# Altium PCB IDL_18_020.PcbDoc (part 1 of 2)
Units mil, origin at the board's own origin, x right, y up, seen from the top; angles counter-clockwise.
Board outline 5500 x 4500 mil, 4 copper layers (Top Layer, MID PWR, MID GND, Bottom Layer), stack 61.2 mil thick; 66 components, 112 nets, 782 pads, 477 vias.
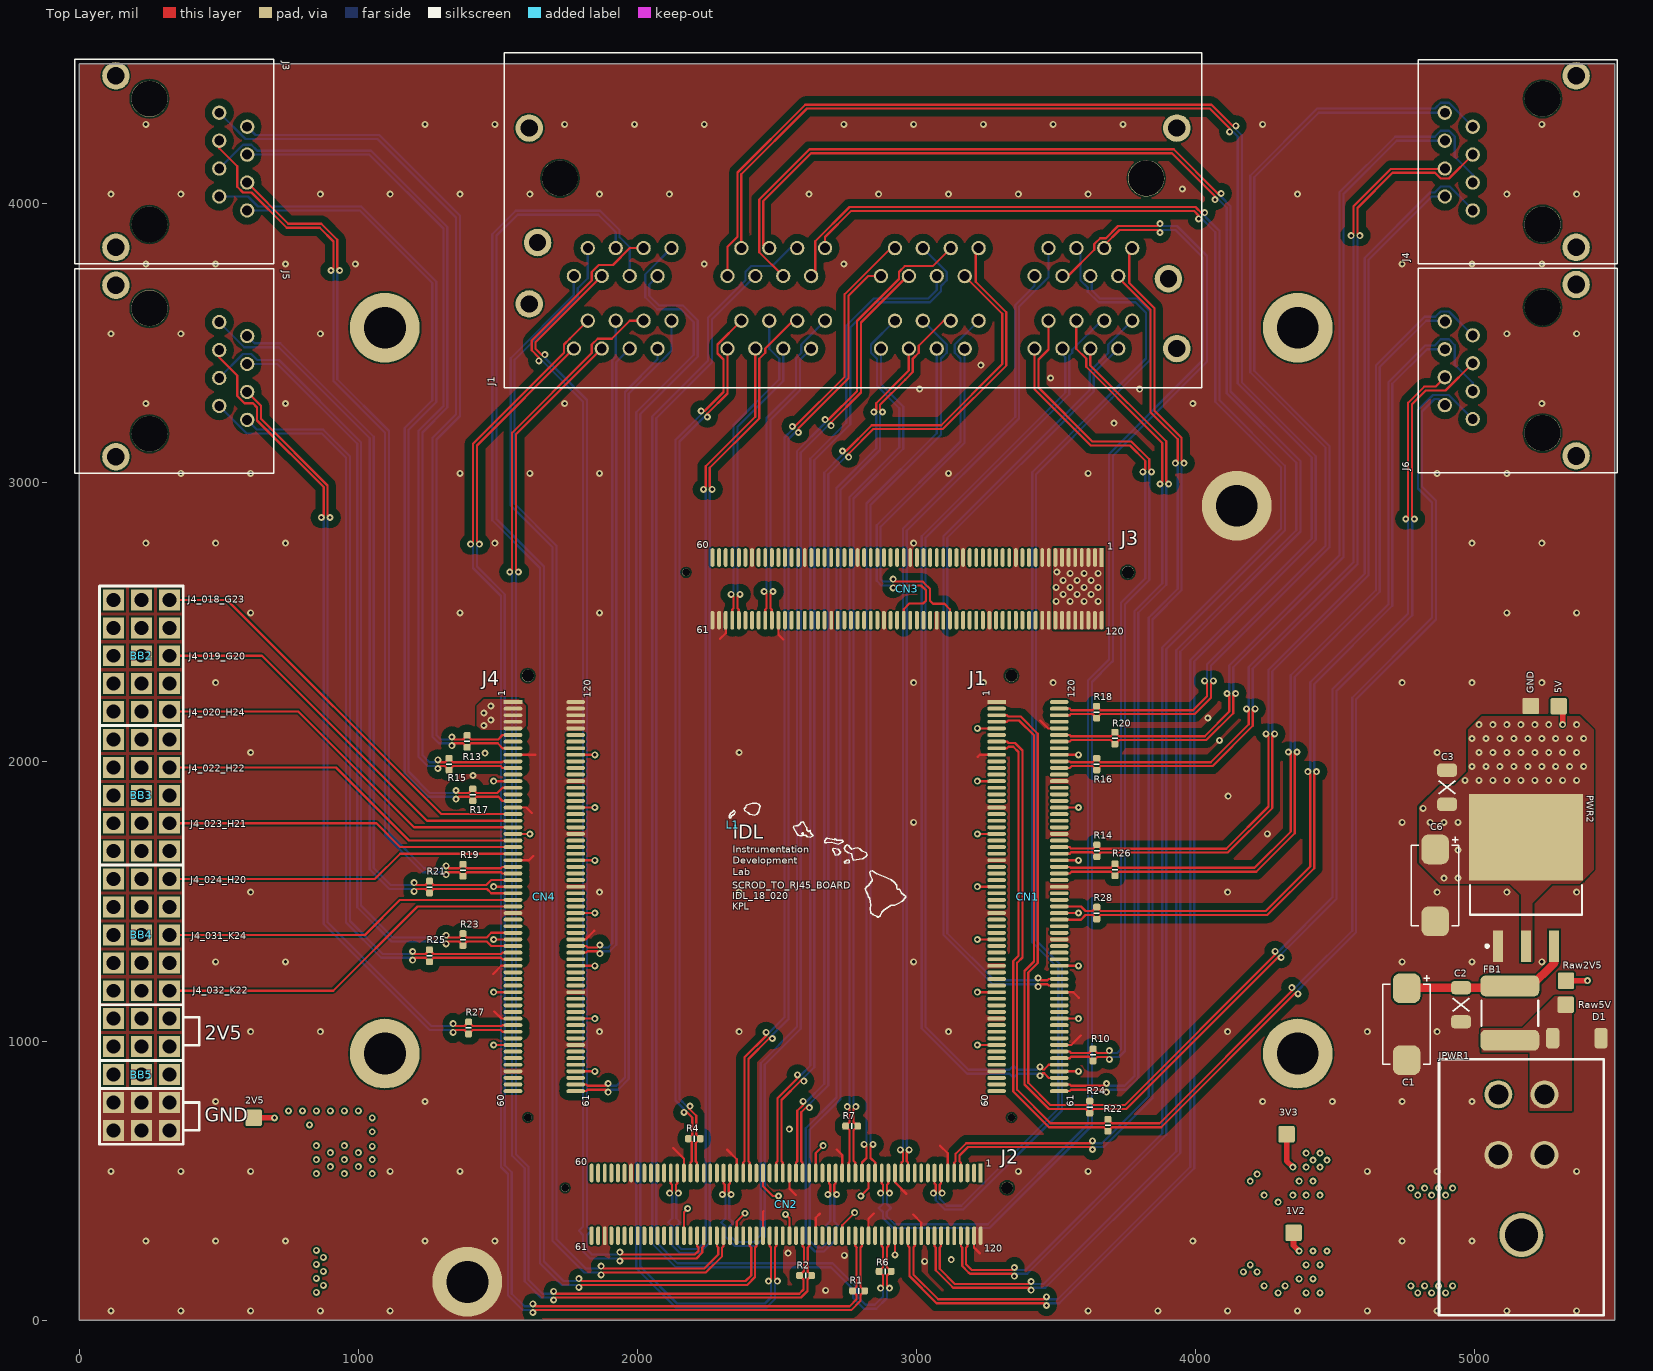
[diagram p0: Top Layer view]
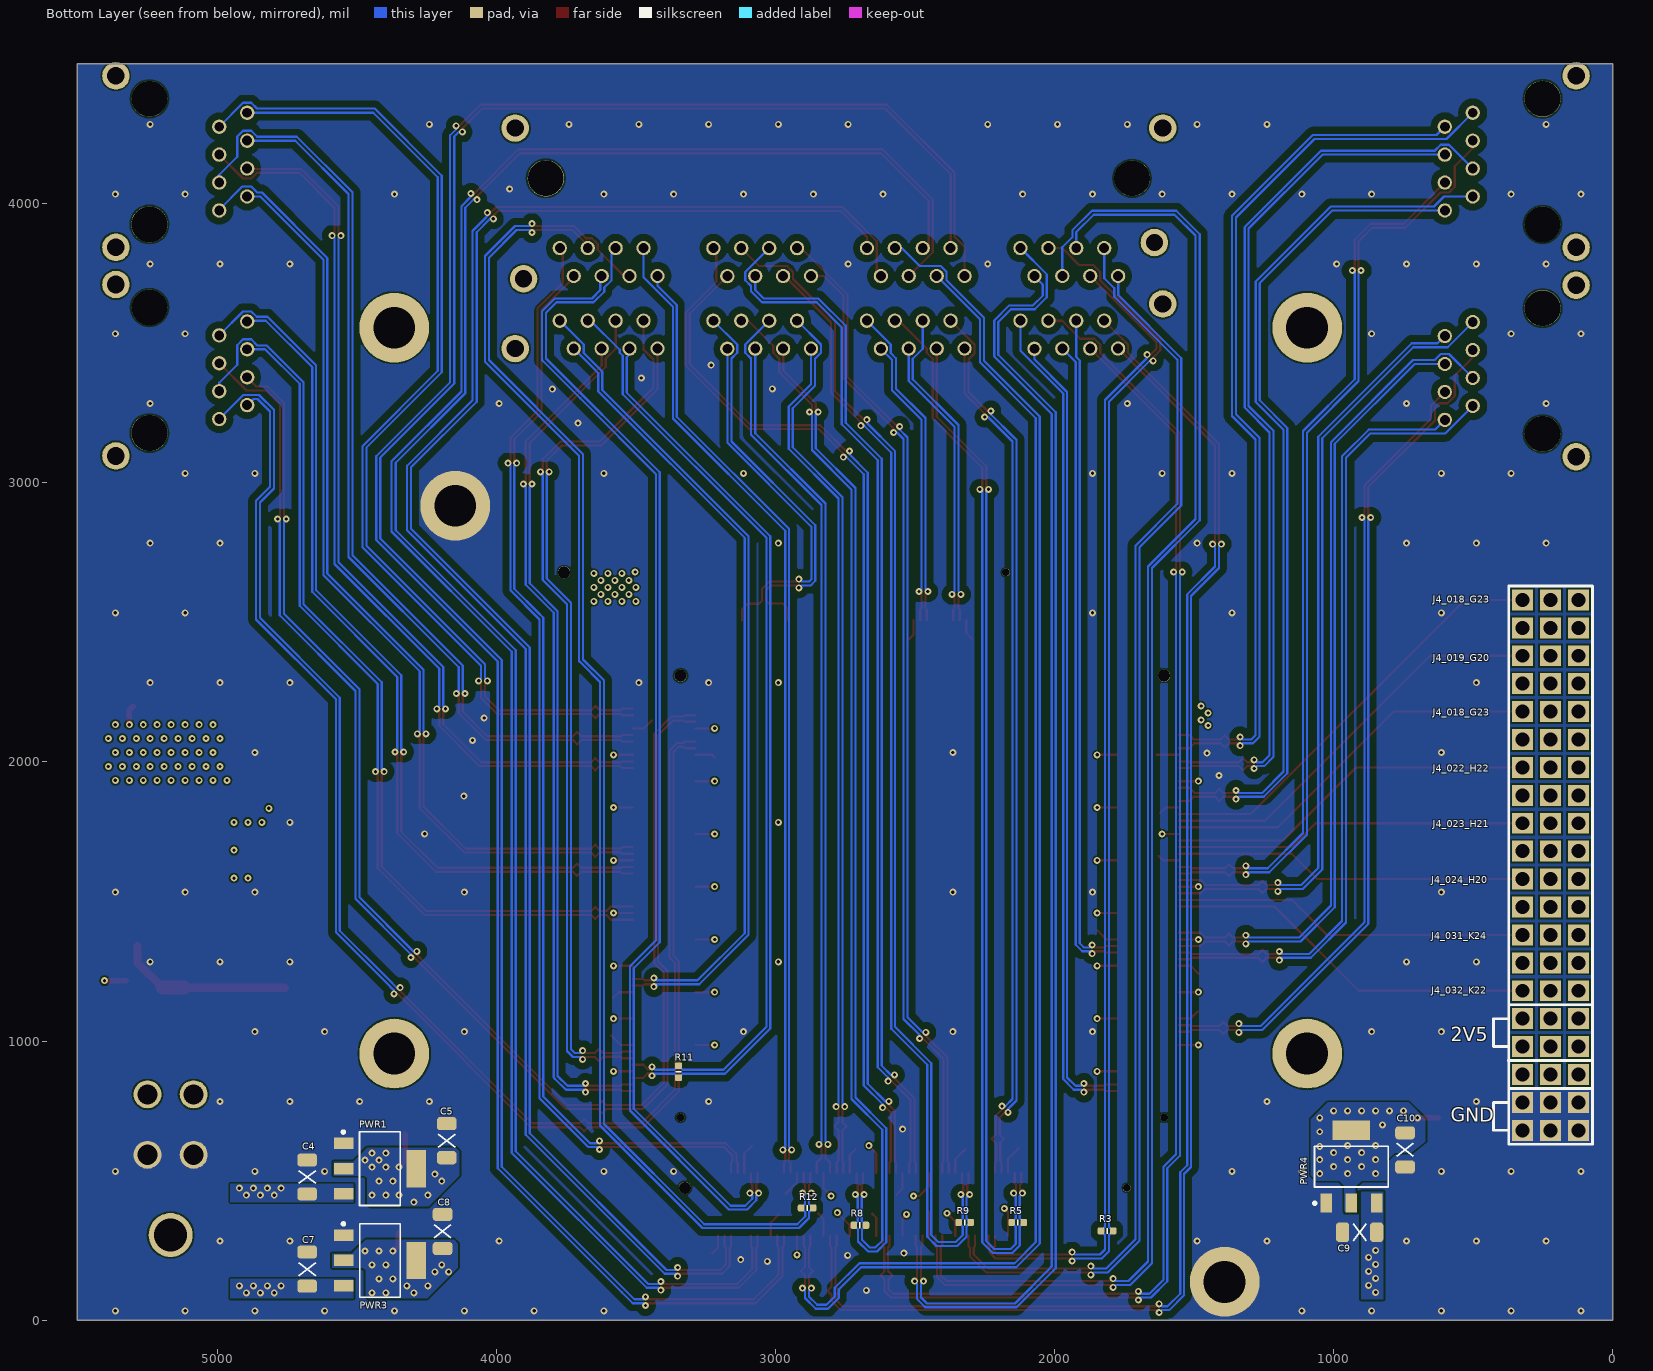
[diagram p1: Bottom Layer view, seen from below]
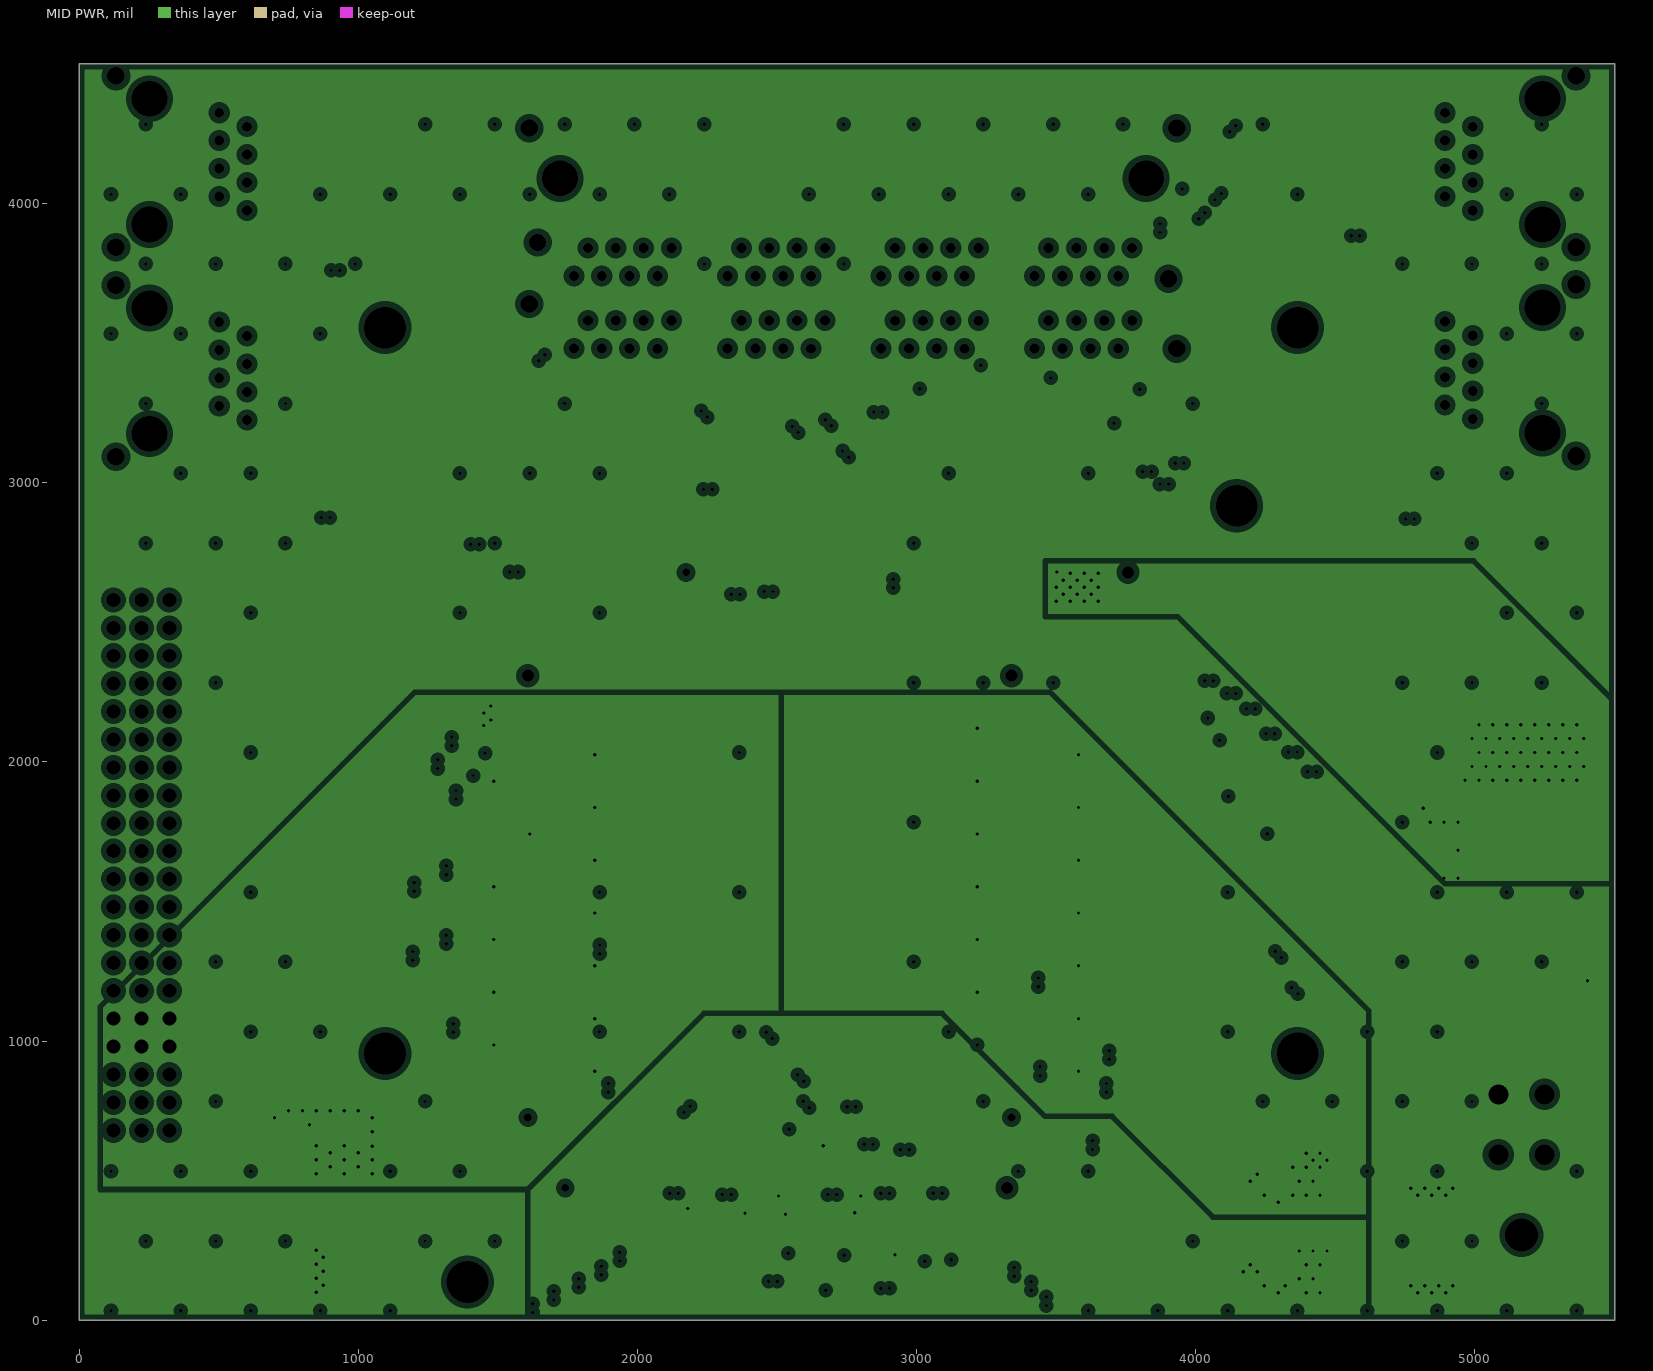
[diagram p2: MID PWR, clearances drawn from the general rule]
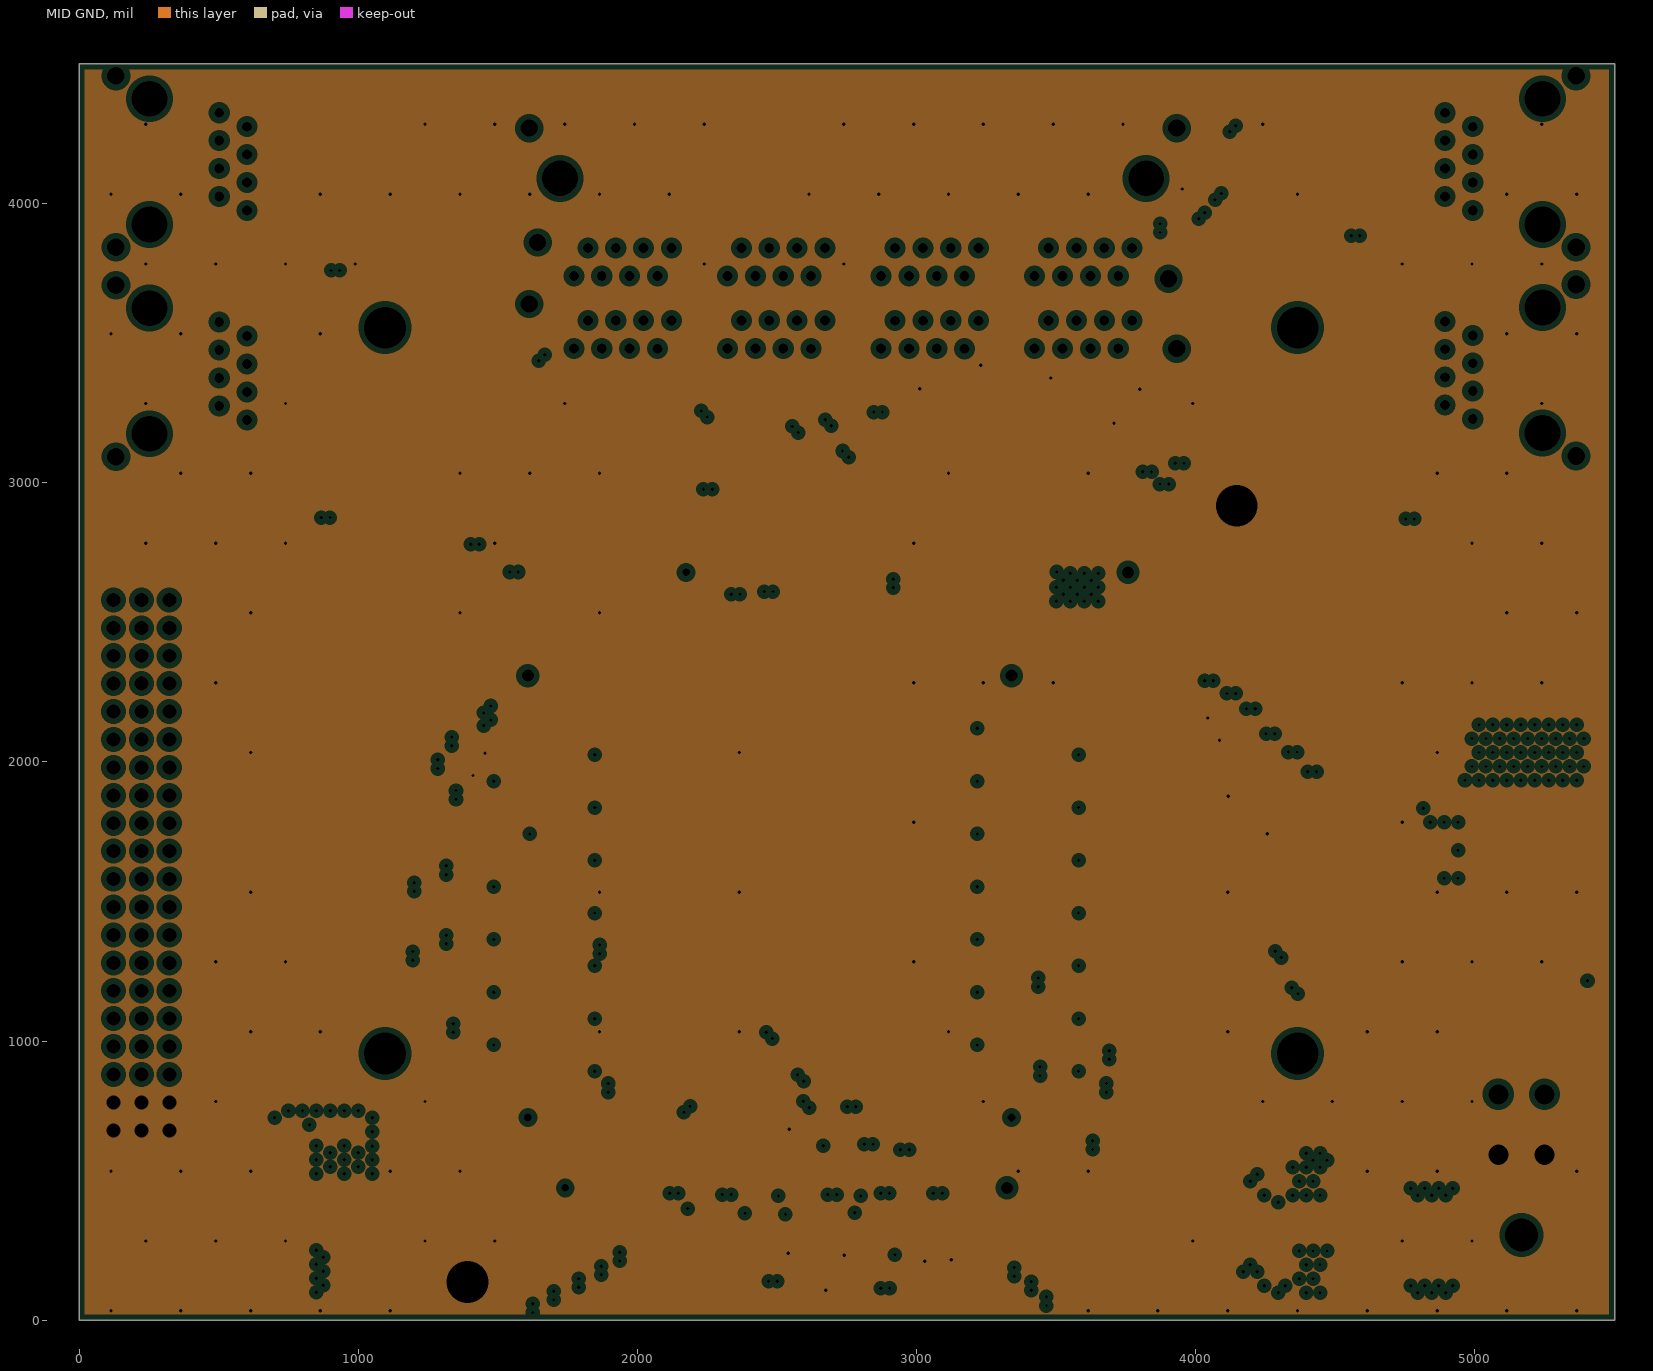
[diagram p3: MID GND, clearances drawn from the general rule]

## Layer stack, top to bottom
Top Solder: solder mask 0.4, Solder Resist, Dk 3.5
Top Layer: signal copper 1.378
Dielectric 1: prepreg 9, FR-4, Dk 4.65
MID PWR: plane copper 1.417, net (Multiple Nets)
Dielectric 2: dielectric 37.61, FR-4, Dk 4.65
MID GND: plane copper 1.417, net GND
Dielectric 3: dielectric 9, FR-4, Dk 4.65
Bottom Layer: signal copper 1.378
Bottom Solder: solder mask 0.4, Solder Resist, Dk 3.5

## Board outline
0,4500 5500,4500 5500,0 0,0

## Design rules (kind name [scope] priority, off if disabled: settings)
Clearance Clearance_Diff [InAnyDifferentialPair vs InNamedPolygon('GND_Top') or InNamedPolygon('GND_Bot')] p1: gap=25 ignorepadtopadclearanceinfootprint=FALSE except(0: Arc-Hole Track-Hole SMDPad-Hole THPad-Hole Via-Hole Fill-Hole Poly-Hole Region-Hole Text-Hole; 6: Arc-Arc Arc-Track Track-Track SMDPad-SMDPad)
Clearance Clearance_RF [InNetClass('RF') vs InNamedPolygon('GND_Top') or InNamedPolygon('GND_Bot')] p2: gap=25 ignorepadtopadclearanceinfootprint=FALSE
Clearance Clearance_Poly [InNet('FMC_2V5')or InNet('FMC_3V3')or InNet('FMC_48V')or InNet('FMC_RAW1')or InNet('FMC_RAW2')or InNet('FMC_RAW3')or InNet('FMC_RAW4')] p3: gap=10 ignorepadtopadclearanceinfootprint=FALSE except(0: Arc-Hole Track-Hole SMDPad-Hole THPad-Hole Via-Hole Fill-Hole Poly-Hole Region-Hole Text-Hole)
Clearance Clearance_KeepOut [Iskeepout] p4 off: gap=20 ignorepadtopadclearanceinfootprint=FALSE except(0: Arc-Hole Track-Hole SMDPad-Hole THPad-Hole Via-Hole Fill-Hole Poly-Hole Region-Hole Text-Hole)
Clearance [All] p5: gap=6 ignorepadtopadclearanceinfootprint=FALSE
ComponentClearance [All] p1 off: gap=10 collisioncheckmode=3 verticalgap=10 showdistances=FALSE
DiffPairsRouting [All] p1: maxlimit=10 minlimit=4 mostfreqgap=6 toplayer_minwidth=4 toplayer_maxwidth=12 toplayer_prefwidth=8 bottomlayer_minwidth=4 bottomlayer_maxwidth=12 bottomlayer_prefwidth=8 maxuncoupledlength=500
Height [All] p1 off: minheight=0 maxheight=1000 prefheight=500
HoleSize [All] p1: absolutevalues=TRUE maxlimit=150 minlimit=12 maxpercent=80.000 minpercent=20.000
MinimumSolderMaskSliver [All] p1: minsoldermaskwidth=5
NetAntennae [All] p1 off: netantennaetolerance=0
PlaneClearance [All] p1: clearance=20
PlaneConnect PlaneConnect_vIA [ISvIA] p1: planeconnectstyle=Direct reliefexpansion=20 reliefentries=4 reliefconductorwidth=10 reliefairgap=10
PlaneConnect [All] p2: planeconnectstyle=Direct reliefexpansion=12 reliefentries=4 reliefconductorwidth=15 reliefairgap=8
PolygonConnect PolygonConnect_Via [IsVia or InNet('GND') or InNet('2V5') or InNet('5V') or InNet('3V3') or InNet('RawFor_2.5V') or InNet('RawFor_5V') or InNet('NetC1_1') or InNet('1V2')] p1: connectstyle=Direct reliefconductorwidth=10 reliefentries=4 polygonreliefangle="90 Angle" airgapwidth=10
PolygonConnect PolygonConnect_Main [All] p2: connectstyle=Relief reliefconductorwidth=12 reliefentries=4 polygonreliefangle="90 Angle" airgapwidth=10
RoutingVias [All] p1: holewidth=12 width=25 viastyle="Through Hole" minholewidth=12 minwidth=25 maxholewidth=25 maxwidth=50
SilkToSilkClearance [All] p1: silktosilkclearance=5
SilkToSolderMaskClearance SilkscreenOverComponentPads [IsPad] p1: minsilkscreentomaskgap=5 clearancetoexposedcopper=TRUE
SolderMaskExpansion [All] p1: expansion=2
Width Width_Logo [HasFootprint('ITECH_LOGO')] p1: maxlimit=10 minlimit=1 preferedwidth=2
Width [All] p2: maxlimit=150 minlimit=4 preferedwidth=8 minimp=50.000000 maximp=50.000000 favimp=50.000000
20 further rules are at their usual default settings.

## Classes and differential pairs
net class RF: AUX1_N AUX1_P AUX2_N AUX2_P AUX3_N AUX3_P AUX4_N AUX4_P DATA_OUT_N DATA_OUT_P DC_SC_DATA1_N DC_SC_DATA1_P DC_SC_DATA2_N DC_SC_DATA2_P DC_SC_DATA3_N DC_SC_DATA3_P DC_SC_DATA4_N DC_SC_DATA4_P DC_SC_TX1_N DC_SC_TX1_P DC_SC_TX2_N DC_SC_TX2_P DC_SC_TX3_N DC_SC_TX3_P DC_SC_TX4_N DC_SC_TX4_P MAS_ACK1_N MAS_ACK1_P MAS_ACK2_N MAS_ACK2_P MAS_ACK3_N MAS_ACK3_P MAS_ACK4_N MAS_ACK4_P ORed_Trig1_N ORed_Trig1_P ORed_Trig2_N ORed_Trig2_P ORed_Trig3_N ORed_Trig3_P ORed_Trig4_N ORed_Trig4_P SC-DC_CLK_N SC-DC_CLK_P SC_DC_CLK1_N SC_DC_CLK1_P SC_DC_CLK2_N SC_DC_CLK2_P SC_DC_CLK3_N SC_DC_CLK3_P SC_DC_CLK4_N SC_DC_CLK4_P SC_DC_DATA1_N SC_DC_DATA1_P SC_DC_DATA2_N SC_DC_DATA2_P SC_DC_DATA3_N SC_DC_DATA3_P SC_DC_DATA4_N SC_DC_DATA4_P SC_DC_RX1_N SC_DC_RX1_P SC_DC_RX2_N SC_DC_RX2_P SC_DC_RX3_N SC_DC_RX3_P SC_DC_RX4_N SC_DC_RX4_P TX_N TX_P
differential pair TRIG_AUX16: +TRIG_AUX16_P -TRIG_AUX16_N
differential pair TRIG_AUX15: +TRIG_AUX15_P -TRIG_AUX15_N
differential pair TRIG_AUX14: +TRIG_AUX14_P -TRIG_AUX14_N
differential pair TRIG_AUX13: +TRIG_AUX13_P -TRIG_AUX13_N
differential pair TRIG_AUX12: +TRIG_AUX12_P -TRIG_AUX12_N
differential pair TRIG_AUX11: +TRIG_AUX11_P -TRIG_AUX11_N
differential pair TRIG_AUX10: +TRIG_AUX10_P -TRIG_AUX10_N
differential pair TRIG_AUX9: +TRIG_AUX9_P -TRIG_AUX9_N
differential pair TRIG_AUX8: +TRIG_AUX8_P -TRIG_AUX8_N
differential pair TRIG_AUX7: +TRIG_AUX7_P -TRIG_AUX7_N
differential pair TRIG_AUX6: +TRIG_AUX6_P -TRIG_AUX6_N
differential pair TRIG_AUX5: +TRIG_AUX5_P -TRIG_AUX5_N
differential pair TRIG_AUX4: +TRIG_AUX4_P -TRIG_AUX4_N
differential pair TRIG_AUX3: +TRIG_AUX3_P -TRIG_AUX3_N
differential pair TRIG_AUX2: +TRIG_AUX2_P -TRIG_AUX2_N
differential pair TRIG_AUX1: +TRIG_AUX1_P -TRIG_AUX1_N
differential pair AUX1: +AUX1_P -AUX1_N
differential pair MAS_ACK1: +MAS_ACK1_P -MAS_ACK1_N
differential pair SC_DC_CLK1: +SC_DC_CLK1_P -SC_DC_CLK1_N
differential pair DC_SC_TX2: +DC_SC_TX2_P -DC_SC_TX2_N
differential pair AUX3: +AUX3_P -AUX3_N
differential pair SC_DC_RX2: +SC_DC_RX2_P -SC_DC_RX2_N
differential pair SC_DC_RX1: +SC_DC_RX1_P -SC_DC_RX1_N
differential pair SC_DC_DATA2: +SC_DC_DATA2_P -SC_DC_DATA2_N
differential pair MAS_ACK4: +MAS_ACK4_P -MAS_ACK4_N
differential pair SC_DC_CLK2: +SC_DC_CLK2_P -SC_DC_CLK2_N
differential pair SC_DC_RX3: +SC_DC_RX3_P -SC_DC_RX3_N
differential pair SC_DC_DATA4: +SC_DC_DATA1_P -SC_DC_DATA1_N
differential pair SC_DC_DATA3: +SC_DC_DATA3_P -SC_DC_DATA3_N
differential pair SC_DC_DATA1: +SC_DC_CLK3_P -SC_DC_CLK3_N
differential pair SC_DC_CLK3: +SC_DC_DATA4_P -SC_DC_DATA4_N
differential pair SC_DC_CLK1: +SC_DC_CLK4_P -SC_DC_CLK4_N
differential pair ORed_Trig4: +ORed_Trig1_P -ORed_Trig1_N
differential pair ORed_Trig3: +ORed_Trig3_P -ORed_Trig3_N
differential pair ORed_Trig2: +DC_SC_DATA1_P -DC_SC_DATA1_N
differential pair ORed_Trig1: +DC_SC_DATA3_P -DC_SC_DATA3_N
differential pair MAS_ACK3: +MAS_ACK3_P -MAS_ACK3_N
differential pair MAS_ACK2: +DC_SC_TX1_P -DC_SC_TX1_N
differential pair MAS_ACK1: +DC_SC_TX3_P -DC_SC_TX3_N
differential pair DC_SC_TX4: +MAS_ACK2_P -MAS_ACK2_N
differential pair DC_SC_TX1: +DC_SC_TX4_P -DC_SC_TX4_N
differential pair DC_SC_DATA4: +ORed_Trig2_P -ORed_Trig2_N
differential pair DC_SC_DATA3: +ORed_Trig4_P -ORed_Trig4_N
differential pair DC_SC_DATA2: +DC_SC_DATA2_P -DC_SC_DATA2_N
differential pair DC_SC_DATA1: +DC_SC_DATA4_P -DC_SC_DATA4_N
differential pair AUX3: +SC_DC_RX4_P -SC_DC_RX4_N
differential pair AUX2: +AUX2_P -AUX2_N
differential pair AUX1: +AUX4_P -AUX4_N

## Components (designator, comment, footprint, x,y, rotation, side; value= is the part's Value field where it differs from the comment)
1V2 "SP1.5S" SP1.5SQ 4350,313 r0 top
2V5 "SP1.5S" SP1.5SQ 625,725 r90 top
3V3 "SP1.5S" SP1.5SQ 4325,666 r90 top
5V "SP1.5S" SP1.5SQ 5300,2199 r0 top
BB2 "=\"Manufacturer No\"" Breadboard_3x5_100mil_pitch 323.03,2580 r270 top
BB3 "=\"Manufacturer No\"" Breadboard_3x5_100mil_pitch 323.03,2080 r270 top
BB4 "=\"Manufacturer No\"" Breadboard_3x5_100mil_pitch 323.03,1580 r270 top
BB5 "=\"Manufacturer No\"" Breadboard_3x5_100mil_pitch 323.03,1080 r270 top
C1 "330uF" CTC-D7343-43 4755,1060 r270 top
C2 "10uF" CC1206N1R 4950.09,1130 r90 top
C3 "10uF" CC1206N1R 4900,1909.03 r270 top
C4 "10uF" CC1206N1R 4676.97,512.99 r270 bottom
C5 "10uF" CC1206N1R 4176.97,642.99 r270 bottom
C6 "220uF" CTC-D7343-43 4857.15,1557.35 r270 top
C7 "10uF" CC1206N1R 4676.97,182.99 r270 bottom
C8 "10uF" CC1206N1R 4191.97,317.99 r270 bottom
C9 "10uF" CC1206N1R 906.97,315 r180 bottom
C10 "10uF" CC1206N1R 744.29,610 r90 bottom
CN1 "FX8C-120P-SV6(91)" FX8C-120P-SV6(91) 3398.61,1517.36 r270 top locked
CN2 "FX8C-120P-SV6(91)" FX8C-120P-SV6(91) 2532.47,415 r180 top locked
CN3 "FX8C-120P-SV6(91)" FX8C-120P-SV6(91) 2965.54,2619.72 r180 top locked
CN4 "FX8C-120P-SV6(91)" FX8C-120P-SV6(91) 1666.33,1517.36 r270 top locked
D1 "PMEG3050EP,115" SOD128 5365,1010 r0 top
FB1 "74279224151" FB2220N1R 5125,1100 r90 top
GND "SP1.5S" SP1.5SQ 5200,2200 r90 top
J1 "0445200001" "2X4 RJ45" 3822.13,4090.08 r180 top locked
J3 "0855085001" "VIRT RJ45" 251.97,4375 r270 top locked
J4 "0855085001" "VIRT RJ45" 5241.97,3925 r90 top
J5 "0855085001" "VIRT RJ45" 251.97,3625 r270 top locked
J6 "0855085001" "VIRT RJ45" 5241.97,3177.71 r90 top
JPWR1 "MOLEX4PIN" MOLEX_4PIN 5083.53,305 r0 top
L1 "IDLab Logo" "IDLab logo" 2341.97,1775 r0 top
PWR1 "ADP3339AKCZ-3.3-RL" SOT223 4416.52,542.99 r270 bottom
PWR2 "LM1084ISX-5.0/NOPB" "TO-263-4 DDPAK" 5182.65,1584.03 r90 top
PWR3 "ZLDO1117G12TA" SOT223 4416.12,214 r270 bottom
PWR4 "ADP3339AKCZ-2.5-R7" SOT223 936.97,550 r180 bottom
R1 "100R" RC0402N1R 2791.97,105 r0 top
R2 "100R" RC0402N1R 2601.97,160 r0 top
R3 "100R" RC0402N1R 1811.97,320 r180 bottom
R4 "100R" RC0402N1R 2203.62,650 r180 top
R5 "100R" RC0402N1R 2131.97,350 r180 bottom
R6 "100R" RC0402N1R 2886.97,175 r0 top
R7 "100R" RC0402N1R 2766.97,695 r180 top
R8 "100R" RC0402N1R 2696.97,340 r180 bottom
R9 "100R" RC0402N1R 2321.97,350 r0 bottom
R10 "100R" RC0402N1R 3631.97,950 r270 top
R11 "100R" RC0402N1R 3346.97,890 r90 bottom
R12 "100R" RC0402N1R 2886.35,402 r0 bottom
R13 "100R" RC0402N1R 1390,2073.35 r270 top
R14 "100R" RC0402N1R 3645.37,1681.28 r90 top
R15 "100R" RC0402N1R 1324.99,1991.65 r270 top
R16 "100R" RC0402N1R 3645,1991.65 r90 top
R17 "100R" RC0402N1R 1410,1881.65 r90 top
R18 "100R" RC0402N1R 3644.65,2178 r90 top
R19 "100R" RC0402N1R 1375,1611.65 r270 top
R20 "100R" RC0402N1R 3710.01,2085 r90 top
R21 "100R" RC0402N1R 1255,1551.65 r270 top
R22 "100R" RC0402N1R 3685,698.35 r90 top
R23 "100R" RC0402N1R 1375,1363.35 r270 top
R24 "100R" RC0402N1R 3620,763.35 r90 top
R25 "100R" RC0402N1R 1255,1305 r270 top
R26 "100R" RC0402N1R 3710.38,1613.35 r90 top
R27 "100R" RC0402N1R 1395,1046.65 r270 top
R28 "100R" RC0402N1R 3645,1458.35 r90 top
Raw2V5 "SP1.5S" SP1.5SQ 5326,1216 r0 top
Raw5V "SP1.5S" SP1.5SQ 5325,1130 r0 top

## Footprints (in the part's own frame and the unit in brackets; to place one, negate y for a bottom-side part, rotate by r counter-clockwise, add the part's x,y. Pads: shape width x height; smd on the part's side, far side on the other; paste and mask are expansions set on the pad)
"2X4 RJ45" [mm] "2x4_RIGHT ANGLE_RJ-45"
  round 1.3 hole 0.9: A1(1.27,12.95) A2(2.54,15.49) A3(3.81,12.95) A4(5.08,15.49) A5(6.35,12.95) A6(7.62,15.49) A7(8.89,12.95) A8(10.16,15.49) B1(15.24,12.954) B2(16.51,15.504) B3(17.78,12.954) B4(19.05,15.494) B5(20.32,12.954) B6(21.59,15.494) B7(22.86,12.954) B8(24.13,15.494) C1(29.21,12.95) C2(30.48,15.5) C3(31.75,12.95) C4(33.02,15.49) C5(34.29,12.95) C6(35.56,15.49) C7(36.83,12.95) C8(38.1,15.49) D1(43.18,12.95) D2(44.45,15.5) D3(45.72,12.95) D4(46.99,15.49) D5(48.26,12.95) D6(49.53,15.49) D7(50.8,12.95) D8(52.07,15.49) E1(1.27,6.346) E2(2.54,8.886) E3(3.81,6.346) E4(5.08,8.886) E5(6.35,6.346) E6(7.62,8.886) E7(8.89,6.346) E8(10.16,8.886) F1(15.24,6.35) F2(16.51,8.9) F3(17.78,6.35) F4(19.05,8.89) F5(20.32,6.35) F6(21.59,8.89) F7(22.86,6.35) F8(24.13,8.89) G1(29.21,6.346) G2(30.48,8.896) G3(31.75,6.346) G4(33.02,8.886) G5(34.29,6.346) G6(35.56,8.886) G7(36.83,6.346) G8(38.1,8.886) H1(43.18,6.346) H2(44.45,8.896) H3(45.72,6.346) H4(46.99,8.886) H5(48.26,6.346) H6(49.53,8.886) H7(50.8,6.346) H8(52.07,8.886)
  round 3.302 hole 3.25 unplated: M1(0,0)
  round 3.25 hole 3.25 unplated: M2(53.34,0)
  round 2.5 hole 1.57: M3(-2.79,-4.57) M4(-2.03,9.14) M5(-2.79,15.49) M6(56.13,-4.57) M7(55.37,5.84) M8(56.13,11.43)
  silkscreen extent -5.08,-11.43 58.42,19.05, body extent -4.16,-10.79 57.66,16.89, height 26.62
Breadboard_3x5_100mil_pitch [mil]
  rect 75x75 hole 50: 1(0,0) 2(100,0) 3(200,0) 4(300,0) 5(400,0) 6(0,-100) 7(100,-100) 8(200,-100) 9(300,-100) 10(400,-100) 11(0,-200) 12(100,-200) 13(200,-200) 14(300,-200) 15(400,-200)
  silkscreen extent -50,-250 450,50
CC1206N1R [mm] "Chip capacitor 1206 ROUNDED PAD"
  rrect50% 1.2x1.8 smd: 1(-1.55,0) 2(1.55,0)
  silkscreen extent -0.58,-0.76 0.58,0.76, body extent -1.6,-0.8 1.6,0.8, height 1.35
CTC-D7343-43 [mm] "Capacitor Tantal Chip D - 7343, H=4.3mm"
  rrect50% 2.7x2.5 smd: 1(-3.275,0) 2(3.275,0)
  silkscreen extent -4.45,-2.15 3.65,2.15, body extent -4,-2.15 4,2.15, height 4.31
FB2220N1R [mm] "Chip Ferrite, 2-Leads, Body 5,59x5,08mm, IPC Medium Density"
  rrect50% 1.9x5.35 smd: 1(-2.475,0) 2(2.475,0)
  silkscreen extent -1.15,-2.57 1.15,2.58, body extent -3.05,-2.66 3.05,2.67, height 2.05
FX8C-120P-SV6(91) [mm] "Hirose 120pin Male Header SV6"
  rect 0.35x1.7 smd mask+0.076: 1(-17.7,-2.85)
  oval 0.35x1.7 smd mask+0.076: 2(-17.1,-2.85) 3(-16.5,-2.85) 4(-15.9,-2.85) 5(-15.3,-2.85) 6(-14.7,-2.85) 7(-14.1,-2.85) 8(-13.5,-2.85) 9(-12.9,-2.85) 10(-12.3,-2.85) 11(-11.7,-2.85) 12(-11.1,-2.85) 13(-10.5,-2.85) 14(-9.9,-2.85) 15(-9.3,-2.85) 16(-8.7,-2.85) 17(-8.1,-2.85) 18(-7.5,-2.85) 19(-6.9,-2.85) 20(-6.3,-2.85) 21(-5.7,-2.85) 22(-5.1,-2.85) 23(-4.5,-2.85) 24(-3.9,-2.85) 25(-3.3,-2.85) 26(-2.7,-2.85) 27(-2.1,-2.85) 28(-1.5,-2.85) 29(-0.9,-2.85) 30(-0.3,-2.85) 31(0.3,-2.85) 32(0.9,-2.85) 33(1.5,-2.85) 34(2.1,-2.85) 35(2.7,-2.85) 36(3.3,-2.85) 37(3.9,-2.85) 38(4.5,-2.85) 39(5.1,-2.85) 40(5.7,-2.85) 41(6.3,-2.85) 42(6.9,-2.85) 43(7.5,-2.85) 44(8.1,-2.85) 45(8.7,-2.85) 46(9.3,-2.85) 47(9.9,-2.85) 48(10.5,-2.85) 49(11.1,-2.85) 50(11.7,-2.85) 51(12.3,-2.85) 52(12.9,-2.85) 53(13.5,-2.85) 54(14.1,-2.85) 55(14.7,-2.85) 56(15.3,-2.85) 57(15.9,-2.85) 58(16.5,-2.85) 59(17.1,-2.85) 60(17.7,-2.85) 61(17.7,2.85) 62(17.1,2.85) 63(16.5,2.85) 64(15.9,2.85) 65(15.3,2.85) 66(14.7,2.85) 67(14.1,2.85) 68(13.5,2.85) 69(12.9,2.85) 70(12.3,2.85) 71(11.7,2.85) 72(11.1,2.85) 73(10.5,2.85) 74(9.9,2.85) 75(9.3,2.85) 76(8.7,2.85) 77(8.1,2.85) 78(7.5,2.85) 79(6.9,2.85) 80(6.3,2.85) 81(5.7,2.85) 82(5.1,2.85) 83(4.5,2.85) 84(3.9,2.85) 85(3.3,2.85) 86(2.7,2.85) 87(2.1,2.85) 88(1.5,2.85) 89(0.9,2.85) 90(0.3,2.85) 91(-0.3,2.85) 92(-0.9,2.85) 93(-1.5,2.85) 94(-2.1,2.85) 95(-2.7,2.85) 96(-3.3,2.85) 97(-3.9,2.85) 98(-4.5,2.85) 99(-5.1,2.85) 100(-5.7,2.85) 101(-6.3,2.85) 102(-6.9,2.85) 103(-7.5,2.85) 104(-8.1,2.85) 105(-8.7,2.85) 106(-9.3,2.85) 107(-9.9,2.85) 108(-10.5,2.85) 109(-11.1,2.85) 110(-11.7,2.85) 111(-12.3,2.85) 112(-12.9,2.85) 113(-13.5,2.85) 114(-14.1,2.85) 115(-14.7,2.85) 116(-15.3,2.85) 117(-15.9,2.85) 118(-16.5,2.85) 119(-17.1,2.85) 120(-17.7,2.85)